# Altium PCB LPC_DevBoard.PcbDoc (continued)
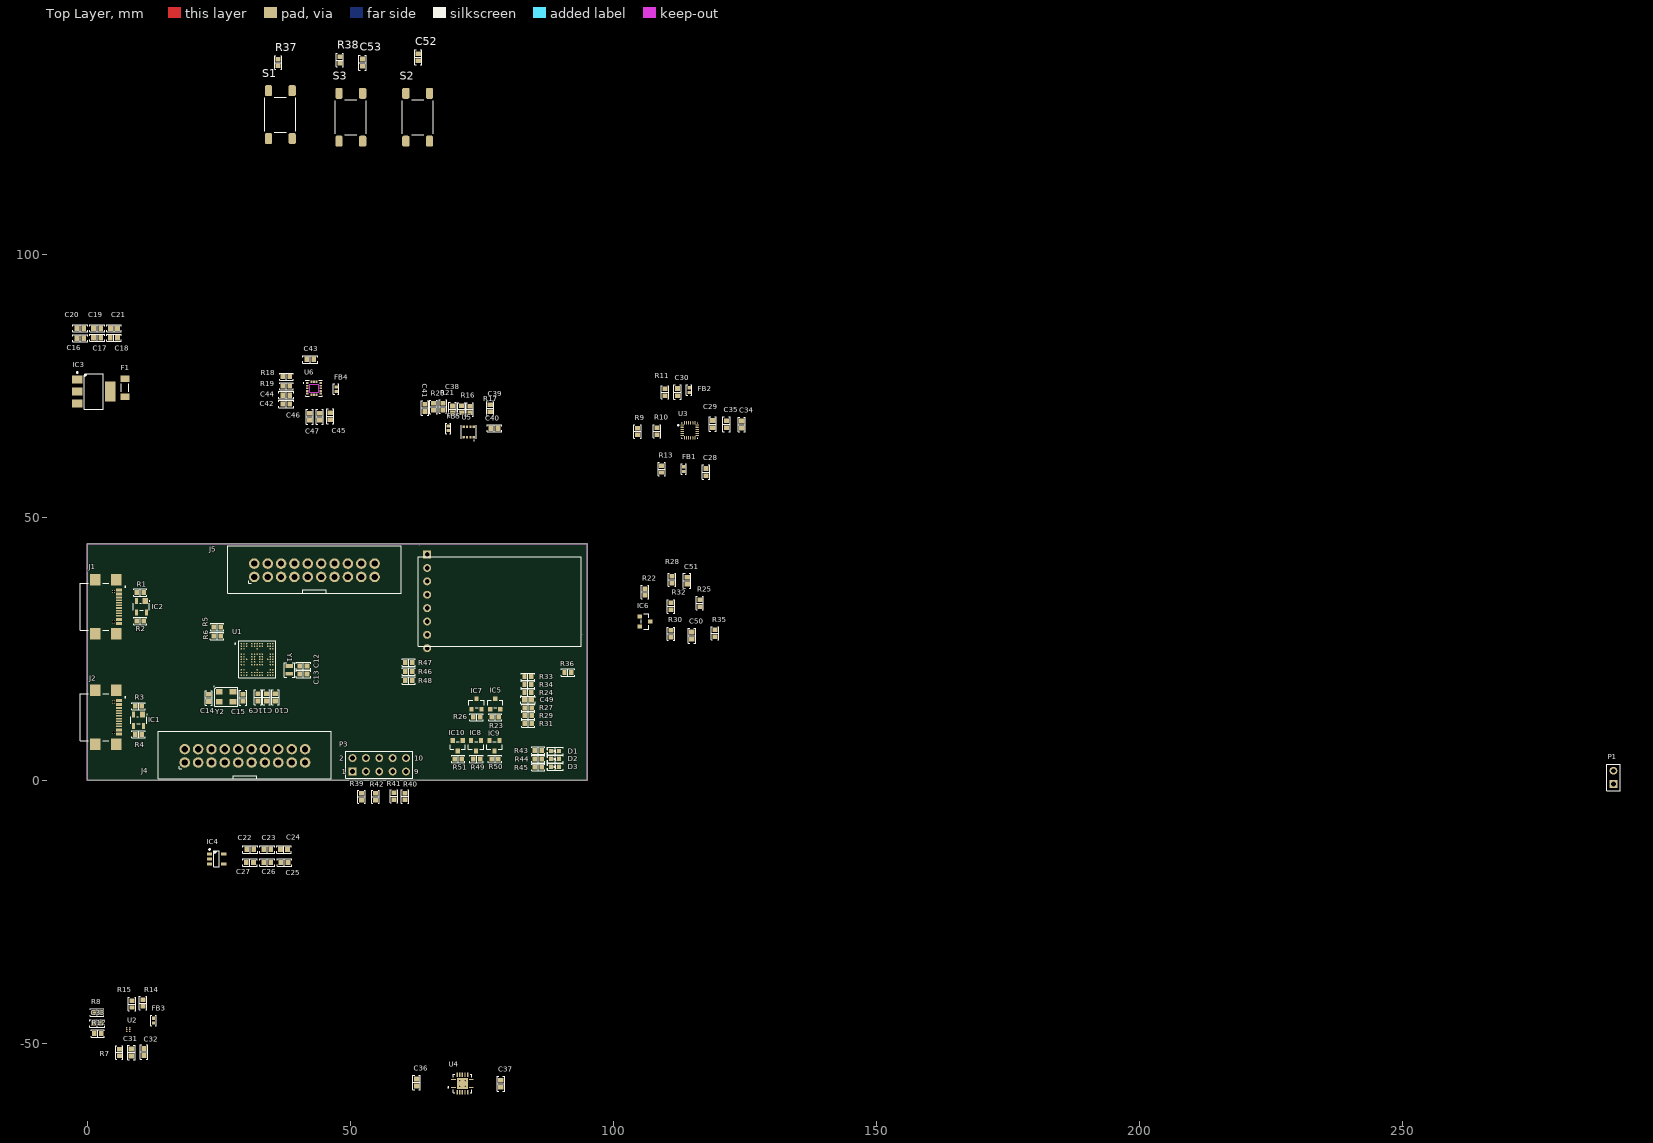
[diagram p0: Top Layer view]
## Part data (continued)
C52 C53: library part 0603YC103KAT2A, "CAP CER 10000PF 16V X7R 0603", Device Package="0603 (1608 Metric)", manufacturer="AVX Corporation", Operating Temperature="-55°C ~ 125°C", Supplier Part Number 1=478-6209-1-ND, Temperature Coefficient=X7R, Tolerance=±10%, Voltage - Rated=16V, Applications="General Purpose", Capacitance=10000pF, componentlink1description=Datasheet, componentlink1url=http://datasheets.avx.com/X7RDielectric.pdf, componentlink2description="DigiKey Link", componentlink2url=http://digikey.com/product-detail/en/avx-corporation/0603YC103KAT2A/478-6209-1-ND/2391408, lastupdated="2.09.2020 01:03:30", Lifecycle Status=Active, Minimum Order=1, Mounting Type="Surface Mount, MLCC", Package / Case="0603 (1608 Metric)", packaging=TapeAndReel, Part Number=0603YC103KAT2A, Part Status=Active, partid=5681, price=0.02, series=-, Size / Dimension="0.063\" L x 0.032\" W (1.60mm x 0.81mm)", Supplier 1=DigiKey, Thickness (Max)="0.035\" (0.90mm)"
D1: library part FKR1111C-TR, "LED RED DIFFUSED SURFACE MOUNT", Current - Test=20mA, Device Package="0603 (1608 Metric)", Lens Color=White, manufacturer="Stanley Electric Co", Millicandela Rating=310mcd, Supplier Device Package=1608, Supplier Part Number 1=404-1269-1-ND, Voltage - Forward (Vf) (Typ)=2.1V, Color=Red, componentlink1description=Datasheet, componentlink1url=http://www.stanley-components.com/php/downloaddatafile.php?rp=0,FKR1111C-TR_e.pdf, componentlink2description="DigiKey Link", componentlink2url=https://www.digikey.com/en/products/detail/stanley-electric-co/FKR1111C-TR/6615581, Configuration=Standard, Height (Max)=0.80mm, lastupdated="19.06.2022 08:33:55", Lens Size="1.20mm x 0.80mm", Lens Style="Rectangle with Flat Top", Lens Transparency=Diffused, Lifecycle Status=Active, Minimum Order=1, Mounting Type="Surface Mount", Package / Case="0603 (1608 Metric)", packaging=TapeAndReel, Part Number=FKR1111C-TR, Part Status=Active, partid=412, price=0.09, series=1111C, Size / Dimension="1.60mm L x 0.80mm W", Supplier 1=DigiKey, Wavelength - Dominant=626nm, Wavelength - Peak=638nm
D2: library part HSME-C130, "LED GREEN DIFFUSED 0603 SMD", Current - Test=20mA, Device Package="0603 (1608 Metric)", Lens Color=White, manufacturer="Broadcom Limited", Millicandela Rating=54mcd, Supplier Device Package=0603, Supplier Part Number 1=516-HSME-C130CT-ND, Voltage - Forward (Vf) (Typ)=1.94V, Color=Green, componentlink1description=Datasheet, componentlink1url=//media.digikey.com/pdf/Data%20Sheets/Avago%20PDFs/HSMx-C130.pdf, componentlink2description="DigiKey Link", componentlink2url=https://www.digikey.com/en/products/detail/broadcom-limited/HSME-C130/2220771, Configuration=Standard, Height (Max)=0.35mm, lastupdated="19.06.2022 08:33:41", Lens Size="1.15mm x 0.80mm", Lens Style="Rectangle with Flat Top", Lens Transparency=Diffused, Lifecycle Status=Active, Minimum Order=1, Mounting Type="Surface Mount", Package / Case="0603 (1608 Metric)", packaging=TapeAndReel, Part Number=HSME-C130, Part Status=Active, partid=676, price=0.10, series=-, Size / Dimension="1.60mm L x 0.80mm W", Supplier 1=DigiKey, Viewing Angle=110°, Wavelength - Dominant=573nm, Wavelength - Peak=575nm
D3: library part 5973604507F, "LED BLUE 0603 SMD", Current - Test=5mA, Device Package="0603 (1608 Metric)", Lens Color=0.68mm, manufacturer=Dialight, Millicandela Rating=40mcd, Supplier Device Package=0603, Supplier Part Number 1=350-4381-1-ND, Voltage - Forward (Vf) (Typ)=2.9V, Color=Blue, componentlink1description=Datasheet, componentlink1url=http://www.dialightsignalsandcomponents.com/Assets/Drawings/2D_Drawings_DrawingDetailedSpec/NewDrawings/C18367A.pdf, componentlink2description="DigiKey Link", componentlink2url=https://www.digikey.com/en/products/detail/dialight/5973604507F/9385436, Configuration=Standard, Height (Max)=0.68mm, lastupdated="19.06.2022 08:33:26", Lens Size="1.20mm x 0.80mm", Lens Style="Rectangle with Flat Top", Lifecycle Status=Active, Minimum Order=1, Mounting Type="Surface Mount", Package / Case="0603 (1608 Metric)", packaging=TapeAndReel, Part Number=5973604507F, Part Status=Active, partid=822, price=0.16, series=597, Size / Dimension="1.60mm L x 0.80mm W", Supplier 1=DigiKey, Wavelength - Dominant=470nm
F1: "FUSE BOARD MNT 800MA 32VAC 63VDC", Breaking Capacity @ Rated Voltage=63A, Current Rating (Amps)=800mA, Device Package="1206 (3216 Metric)", manufacturer="Schurter Inc.", Operating Temperature="-55°C ~ 90°C", Supplier Part Number 1=486-1143-1-ND, Voltage Rating - AC=32V, Voltage Rating - DC=63V, Approval Agency="cURus, VDE", Approvals="cURus, VDE", componentlink1description=Datasheet, componentlink1url=https://us.schurter.com/pdf/english/typ_USI_1206.pdf, componentlink2description="DigiKey Link", componentlink2url=http://digikey.com/product-detail/en/schurter-inc/3413.0215.22/486-1143-1-ND/1522975, Fuse Type="Board Mount (Cartridge Style Excluded)", lastupdated="2.09.2020 01:30:41", Lifecycle Status=Active, Melting I²t=0.18, Minimum Order=1, Mounting Type="Surface Mount", Package / Case="1206 (3216 Metric)", packaging=TapeAndReel, Part Number=3413.0215.22, Part Status=Active, price=0.26, Response Time="Fast Blow", series="USI 1206", Size / Dimension="0.126\" L x 0.063\" W x 0.024\" H (3.20mm x 1.60mm x 0.60mm)", Supplier 1=DigiKey
FB1 FB2 FB3 FB4 FB5: library part BBSY00100505101Y00, "EMI BEAD FILETER", Current Rating (Max)=500mA, DC Resistance (DCR) (Max)=250mOhm, Device Package="0402 (1005 Metric)", manufacturer="Chilisin Electronics", Operating Temperature="-55°C ~ 125°C", Supplier Part Number 1=2184-BBSY00100505101Y00CT-ND, componentlink1description=Datasheet, componentlink1url=https://www.chilisin.com/upload/media/product/emi_bead/file/BBSY,BBBK_Series.pdf, componentlink2description="DigiKey Link", componentlink2url=http://digikey.com/product-detail/en/chilisin-electronics/BBSY00100505101Y00/2184-BBSY00100505101Y00CT-ND/10509212, lastupdated="18.06.2022 06:33:57", Lifecycle Status=Active, Minimum Order=1, Mounting Type="Surface Mount", Number of Lines=1, Package / Case="0402 (1005 Metric)", packaging=Unknown, Part Number=BBSY00100505101Y00, Part Status=Active, partid=1772, price=0.01, Supplier 1=DigiKey, Impedance @ Frequency="100 Ohms @ 100MHz"
IC1 IC2: "TVS DIODE 5.5V SOT143B", Capacitance @ Frequency="1pF @ 1MHz", Device Package="TO-253-4, TO-253AA", manufacturer="Nexperia USA Inc.", Operating Temperature="-40°C ~ 85°C (TA)", Power Line Protection=Yes, Supplier Device Package=SOT-143B, Supplier Part Number 1=1727-3884-2-ND, Voltage - Breakdown (Min)=6V, Voltage - Reverse Standoff (Typ)="5.5V (Max)", Applications="General Purpose", componentlink1description=Datasheet, componentlink1url=https://assets.nexperia.com/documents/data-sheet/PRTR5V0U2X.pdf, componentlink2description="DigiKey Link", componentlink2url=//digikey.com/product-detail/en/nexperia-usa-inc/PRTR5V0U2X215/1727-3884-2-ND/1163690, lastupdated="9.12.2019 21:29:05", Lifecycle Status=0, Minimum Order=1, Mounting Type="Surface Mount", Package / Case="TO-253-4, TO-253AA", packaging=TapeAndReel, Part Number=PRTR5V0U2X,215, Part Status=Active, partid=5451, price=0.18, series=-, Supplier 1=DigiKey, Type="Steering (Rail to Rail)", Unidirectional Channels=2
IC3: "IC REG LINEAR 3.3V 1A SOT223", Current - Output=1A, Current - Quiescent (Iq)=700µA, manufacturer="ON Semiconductor", Package / Case="TO-261-4, TO-261AA", Supplier Device Package=SOT-223, Supplier Part Number 1=NCP1117LPST33T3GOSCT-ND, Voltage - Output (Min/Fixed)=3.3V, Voltage - Input (Max)=18V, Voltage Dropout (Max)="1.4V @ 1A", componentlink1description=Datasheet, componentlink1url=http://www.onsemi.com/pub/Collateral/NCP1117LP-D.PDF, componentlink2description="DigiKey Link", componentlink2url=http://digikey.com/product-detail/en/on-semiconductor/NCP1117LPST33T3G/NCP1117LPST33T3GOSCT-ND/3462387, lastupdated="12.06.2022 01:44:12", Lifecycle Status=Active, Minimum Order=1, Mounting Type="Surface Mount", Number of Regulators=1, Output Configuration=Positive, Output Type=Fixed, packaging=TapeAndReel, Part Number=NCP1117LPST33T3G, Part Status=Active, price=0.12, Protection Features="Over Current, Over Temperature", PSRR="60dB (120Hz)", series=-, Supplier 1=DigiKey
IC4: "IC REG LINEAR 1.8V 150MA SOT23-5", Current - Output=150mA, Current - Quiescent (Iq)="100 µA", Current - Supply (Max)="140 µA", manufacturer="Texas Instruments", Operating Temperature="-40°C ~ 125°C", Package / Case="SC-74A, SOT-753", Supplier Device Package=SOT-23-5, Supplier Part Number 1=296-11016-1-ND, Voltage - Output (Min/Fixed)=1.8V, Voltage - Input (Max)=10V, componentlink1description=Datasheet, componentlink1url=http://www.ti.com/general/docs/suppproductinfo.tsp?distId=10&gotoUrl=http%3A%2F%2Fwww.ti.com%2Flit%2Fgpn%2Ftps763, componentlink2description="DigiKey Link", componentlink2url=https://www.digikey.com/en/products/detail/texas-instruments/TPS76318DBVR/382161, Control Features=Enable, lastupdated="16.06.2022 11:30:59", Lifecycle Status=Active, Minimum Order=1, Mounting Type="Surface Mount", Number of Regulators=1, Output Configuration=Positive, Output Type=Fixed, packaging=TapeAndReel, Part Number=TPS76318DBVR, Part Status=Active, price=0.43, Protection Features="Over Current, Over Temperature, Reverse Polarity", PSRR="60dB (1kHz)", series=-, Supplier 1=DigiKey
IC5 IC6: "MOSFET P-CH 50V 130MA SOT23-3", Current - Continuous Drain (Id) @ 25°C="130mA (Ta)", Drain to Source Voltage (Vdss)=50V, Drive Voltage (Max Rds On,  Min Rds On)=5V, manufacturer="Diodes Incorporated", Operating Temperature="-55°C ~ 150°C (TJ)", Package / Case="TO-236-3, SC-59, SOT-23-3", Power Dissipation (Max)="300mW (Ta)", Supplier Device Package=SOT-23-3, Supplier Part Number 1=BSS84-FDICT-ND, Input Capacitance (Ciss) (Max) @ Vds="45pF @ 25V", componentlink1description=Datasheet, componentlink1url=https://www.diodes.com/assets/Datasheets/ds30149.pdf, componentlink2description="DigiKey Link", componentlink2url=http://digikey.com/product-detail/en/diodes-incorporated/BSS84-7-F/BSS84-FDICT-ND/717844, FET Type=P-Channel, lastupdated="18.06.2022 06:47:32", Lifecycle Status=Active, Minimum Order=1, Mounting Type="Surface Mount", packaging=TapeAndReel, Part Number=BSS84-7-F, Part Status=Active, price=0.03, Rds On (Max) @ Id, Vgs="10Ohm @ 100mA, 5V", series=-, Supplier 1=DigiKey, Technology="MOSFET (Metal Oxide)", Vgs (Max)=±20V, Vgs(th) (Max) @ Id="2V @ 1mA"
IC7 IC8 IC9 IC10: "MOSFET N-CH 50V 200MA SOT23-3", Current - Continuous Drain (Id) @ 25°C="200mA (Ta)", Drain to Source Voltage (Vdss)=50V, Drive Voltage (Max Rds On,  Min Rds On)=10V, manufacturer="Diodes Incorporated", Operating Temperature="-55°C ~ 150°C (TJ)", Package / Case="TO-236-3, SC-59, SOT-23-3", Power Dissipation (Max)="300mW (Ta)", Supplier Device Package=SOT-23-3, Supplier Part Number 1=BSS138-FDICT-ND, Input Capacitance (Ciss) (Max) @ Vds="50pF @ 10V", componentlink1description=Datasheet, componentlink1url=https://www.diodes.com/assets/Datasheets/ds30144.pdf, componentlink2description="DigiKey Link", componentlink2url=http://digikey.com/product-detail/en/diodes-incorporated/BSS138-7-F/BSS138-FDICT-ND/717843, FET Type=N-Channel, lastupdated="19.06.2022 08:41:52", Lifecycle Status=Active, Minimum Order=1, Mounting Type="Surface Mount", packaging=TapeAndReel, Part Number=BSS138-7-F, Part Status=Active, price=0.04, Rds On (Max) @ Id, Vgs="3.5Ohm @ 220mA, 10V", series=-, Supplier 1=DigiKey, Technology="MOSFET (Metal Oxide)", Vgs (Max)=±20V, Vgs(th) (Max) @ Id="1.5V @ 250µA"
J1: library part USB4110-GF-A_REVB, "USB", Package=None, Availability=Unavailable, MP=USB4110-GF-A_REVB, price=None
J2: "USB", Package=None, Availability=Unavailable, componentlink1description="New link", MP=USB4110-GF-A_REVB, price=None
J3: "CONN MICRO SD CARD HINGED TYPE", manufacturer="Hirose Electric Co Ltd", Supplier Part Number 1=HR1972TR-ND, Card Type="Secure Digital - microSD™", componentlink1description=Datasheet, componentlink1url=https://www.hirose.com/product/document?clcode=CL0609-0033-6-00&productname=DM3AT-SF-PEJ2M5&series=DM3&documenttype=Catalog&lang=en&documentid=D49662_en, componentlink2description="DigiKey Link", componentlink2url=//digikey.com/product-detail/en/hirose-electric-co-ltd/DM3CS-SF/HR1972TR-ND/2602739, Connector Type=Connector, Contact Finish=Gold, Features=Switch, Height Above Board="0.072\" (1.83mm)", lastupdated="16.12.2019 20:36:12", Lifecycle Status=0, Minimum Order=1, Mounting Feature="Normal, Standard - Top", Mounting Type="Surface Mount, Right Angle", Number of Positions="10 (8 + 2)", packaging=TapeAndReel, Part Number=DM3CS-SF, Part Status=Active, price=0.77, series=DM3, Supplier 1=DigiKey, Insertion, Removal Method="Hinged Lid"
J4 J5: "CONN HEADER VERT 20POS 2.54MM", Current Rating (Amps)=3A, manufacturer="Sullins Connector Solutions", Material Flammability Rating="UL94 V-0", Operating Temperature="-40°C ~ 105°C", Supplier Part Number 1=SBH11-NBPC-D10-ST-BK-ND, Insulation Color=Black, componentlink1description=Datasheet, componentlink1url=https://s3.amazonaws.com/catalogspreads-pdf/PAGE122%20.100%20SBH11%20SERIES%20MALE%20BOX%20HDR%20ST%20RA%20SMT.pdf, componentlink2description="DigiKey Link", componentlink2url=http://digikey.com/product-detail/en/sullins-connector-solutions/SBH11-NBPC-D10-ST-BK/SBH11-NBPC-D10-ST-BK-ND/4558585, Connector Type=Header, Contact Finish - Mating=Gold, Contact Finish - Post=Gold, Contact Finish Thickness - Mating=Flash, Contact Material=Brass, Contact Shape=Square, Contact Type="Male Pin", Fastening Type=Push-Pull, Features="Keying Slot", lastupdated="21.06.2022 14:45:11", Lifecycle Status=Active, Minimum Order=1000, Mounting Type="Through Hole", Number of Positions=20, Number of Positions Loaded=All, Number of Rows=2, packaging=Tray, Part Number=SBH11-NBPC-D10-ST-BK, Part Status=Active, partid=135, price=0.40, series=SBH11, Shrouding="Shrouded - 4 Wall", Style="Board to Board or Cable", Supplier 1=DigiKey, Termination=Solder, Insulation Material="Polyamide (PA), Nylon"
L1: library part VLS252012CX-4R7M-1, "FIXED IND 4.7UH 1.24A 210MOHM SM", Current - Saturation=1.1A, Current Rating (Amps)="1.24 A", DC Resistance (DCR)="210mOhm Max", Device Package=Nonstandard, manufacturer="TDK Corporation", Operating Temperature="-40°C ~ 105°C", Supplier Device Package=2520, Supplier Part Number 1=445-172985-1-ND, Tolerance=±20%, Inductance Frequency - Test="1 MHz", componentlink1description=Datasheet, componentlink1url=https://product.tdk.com/info/en/catalog/datasheets/inductor_commercial_power_vls252012cx-1_en.pdf?ref_disty=digikey, componentlink2description="DigiKey Link", componentlink2url=https://www.digikey.com/en/products/detail/tdk-corporation/VLS252012CX-4R7M-1/5169790, Height - Seated (Max)="0.047\" (1.20mm)", lastupdated="12.06.2022 01:37:54", Lifecycle Status=Active, Material - Core=Ferrite, Minimum Order=1, Mounting Type="Surface Mount", Package / Case=Nonstandard, packaging=TapeAndReel, Part Number=VLS252012CX-4R7M-1, Part Status=Active, partid=228, price=0.16, series=VLS-CX-1, Shielding=Shielded, Size / Dimension="0.098\" L x 0.079\" W (2.50mm x 2.00mm)", Supplier 1=DigiKey, Type=Wirewound, Inductance="4.7 µH"
P1: "Header, 2-Pin", LatestRevisionDate=17-Jul-2002, LatestRevisionNote="Re-released for DXP Platform.", Publisher="Altium Limited"
P2: library part "Header 8", "Header, 8-Pin", LatestRevisionDate=17-Jul-2002, LatestRevisionNote="Re-released for DXP Platform.", Publisher="Altium Limited"
P3: "Header, 5-Pin, Dual row", LatestRevisionDate=17-Jul-2002, LatestRevisionNote="Re-released for DXP Platform.", Publisher="Altium Limited"
R1 R2 R3 R4: library part AC0603JR-075K1L, "RES SMD 5.1K OHM 5% 1/10W 0603", Device Package="0603 (1608 Metric)", manufacturer=Yageo, Operating Temperature="-55°C ~ 155°C", Power (Watts)="0.1W, 1/10W", Ratings=AEC-Q200, Supplier Device Package=0603, Supplier Part Number 1=YAG3682CT-ND, Temperature Coefficient=±100ppm/°C, Tolerance=±5%, componentlink1description=Datasheet, componentlink1url=https://www.yageo.com/upload/media/product/productsearch/datasheet/rchip/PYu-AC_51_RoHS_L_7.pdf, componentlink2description="DigiKey Link", componentlink2url=https://www.digikey.com/en/products/detail/yageo/AC0603JR-075K1L/5896480, Composition="Thick Film", Features="Automotive AEC-Q200, Moisture Resistant", Height - Seated (Max)="0.022\" (0.55mm)", lastupdated="12.06.2022 01:11:56", Lifecycle Status=Active, Minimum Order=1, Number of Terminations=2, Package / Case="0603 (1608 Metric)", packaging=CutTape, Part Number=AC0603JR-075K1L, Part Status=Active, partid=8336, price=0.01, Resistance="5.1 kOhms", series=AC, Size / Dimension="0.063\" L x 0.031\" W (1.60mm x 0.80mm)", Supplier 1=DigiKey
R5 R6 R7 R8 R9 R10 R16 R17 R18 R19 R28 R30 R32 R35 R46 R47 R48: library part AC0603FR-0733RL, "RES SMD 33 OHM 1% 1/10W 0603", Device Package="0603 (1608 Metric)", manufacturer=Yageo, Operating Temperature="-55°C ~ 155°C", Power (Watts)="0.1W, 1/10W", Ratings=AEC-Q200, Supplier Device Package=0603, Supplier Part Number 1=YAG3599CT-ND, Temperature Coefficient=±100ppm/°C, Tolerance=±1%, componentlink1description=Datasheet, componentlink1url=https://www.yageo.com/upload/media/product/productsearch/datasheet/rchip/PYu-AC_51_RoHS_L_7.pdf, componentlink2description="DigiKey Link", componentlink2url=https://www.digikey.com/en/products/detail/yageo/AC0603FR-0733RL/5896043, Composition="Thick Film", Features="Automotive AEC-Q200, Moisture Resistant", Height - Seated (Max)="0.022\" (0.55mm)", lastupdated="18.06.2022 06:13:30", Lifecycle Status=Active, Minimum Order=1, Number of Terminations=2, Package / Case="0603 (1608 Metric)", packaging=CutTape, Part Number=AC0603FR-0733RL, Part Status=Active, partid=17381, price=0.01, Resistance="33 Ohms", series=AC, Size / Dimension="0.063\" L x 0.031\" W (1.60mm x 0.80mm)", Supplier 1=DigiKey
R11 R13 R14 R15 R20 R21: library part 5110, "RES SMD 0 OHM JUMPER 1/2W 0603", Device Package="0603 (1608 Metric)", manufacturer="Keystone Electronics", Power (Watts)="0.5W, 1/2W", Supplier Device Package=0603, Supplier Part Number 1=36-5110CT-ND, Tolerance=Jumper, componentlink1description=Datasheet, componentlink1url=http://keyelco.com/userAssets/file/M65p54.pdf, componentlink2description="DigiKey Link", componentlink2url=https://www.digikey.com/en/products/detail/keystone-electronics/5110/5118870, Composition="Metal Element", Height - Seated (Max)="0.028\" (0.70mm)", lastupdated="18.06.2022 06:13:19", Lifecycle Status=Active, Minimum Order=1, Number of Terminations=2, Package / Case="0603 (1608 Metric)", packaging=TapeAndReel, Part Number=5110, Part Status=Active, partid=20779, price=0.16, Resistance="0 Ohms", series=-, Size / Dimension="0.061\" L x 0.033\" W (1.55mm x 0.85mm)", Supplier 1=DigiKey
R12: library part AC0603JR-0710KL, "RES SMD 10K OHM 5% 1/10W 0603", Device Package="0603 (1608 Metric)", manufacturer=Yageo, Operating Temperature="-55°C ~ 155°C", Power (Watts)="0.1W, 1/10W", Ratings=AEC-Q200, Supplier Device Package=0603, Supplier Part Number 1=311-10KLECT-ND, Temperature Coefficient=±100ppm/°C, Tolerance=±5%, componentlink1description=Datasheet, componentlink1url=https://www.yageo.com/upload/media/product/productsearch/datasheet/rchip/PYu-AC_51_RoHS_L_7.pdf, componentlink2description="DigiKey Link", componentlink2url=https://www.digikey.com/en/products/detail/yageo/AC0603JR-0710KL/2827830, Composition="Thick Film", Features="Automotive AEC-Q200, Moisture Resistant", Height - Seated (Max)="0.022\" (0.55mm)", lastupdated="18.06.2022 06:13:45", Lifecycle Status=Active, Minimum Order=1, Number of Terminations=2, Package / Case="0603 (1608 Metric)", packaging=CutTape, Part Number=AC0603JR-0710KL, Part Status=Active, partid=12247, price=0.01, Resistance="10 kOhms", series=AC, Size / Dimension="0.063\" L x 0.031\" W (1.60mm x 0.80mm)", Supplier 1=DigiKey
R22 R23 R25 R26 R38 R49 R50 R51: library part ERA-3AED104V, "RES 100 KOHMS 0.5% 1/10W 0603", Device Package="0603 (1608 Metric)", manufacturer="Panasonic Electronic Components", Operating Temperature="-55°C ~ 155°C", Power (Watts)="0.1W, 1/10W", Ratings=AEC-Q200, Supplier Device Package=0603, Supplier Part Number 1=P123902CT-ND, Temperature Coefficient=±25ppm/°C, Tolerance=±0.5%, componentlink1description=Datasheet, componentlink1url=https://industrial.panasonic.com/cdbs/www-data/pdf/RDM0000/AOA0000C307.pdf, componentlink2description="DigiKey Link", componentlink2url=https://www.digikey.com/en/products/detail/panasonic-electronic-components/ERA-3AED104V/9467631, Composition="Thin Film", Features="Automotive AEC-Q200", Height - Seated (Max)="0.022\" (0.55mm)", lastupdated="18.06.2022 06:13:53", Lifecycle Status=Active, Minimum Order=1, Number of Terminations=2, Package / Case="0603 (1608 Metric)", packaging=TapeAndReel, Part Number=ERA-3AED104V, Part Status=Active, partid=10002, price=0.01, Resistance="100 kOhms", series=ERA-3A, Size / Dimension="0.063\" L x 0.031\" W (1.60mm x 0.80mm)", Supplier 1=DigiKey
R24 R27 R29 R31 R33 R34 R36: library part ERJ-UP3J473V, "RES 47K OHM 5% 1/4W 0603", Device Package="0603 (1608 Metric)", manufacturer="Panasonic Electronic Components", Operating Temperature="-55°C ~ 155°C", Power (Watts)="0.25W, 1/4W", Ratings=AEC-Q200, Supplier Device Package=0603, Supplier Part Number 1=10-ERJ-UP3J473VCT-ND, Temperature Coefficient=±200ppm/°C, Tolerance=±5%, componentlink1description=Datasheet, componentlink1url=https://b2b-api.panasonic.eu/file_stream/pids/fileversion/4484, componentlink2description="DigiKey Link", componentlink2url=https://www.digikey.com/en/products/detail/panasonic-electronic-components/ERJ-UP3J473V/12092099, Composition="Thick Film", Features="Anti-Sulfur, Automotive AEC-Q200, Pulse Withstanding", Height - Seated (Max)="0.022\" (0.55mm)", lastupdated="19.06.2022 08:07:14", Lifecycle Status=Active, Minimum Order=1, Number of Terminations=2, Package / Case="0603 (1608 Metric)", packaging=TapeAndReel, Part Number=ERJ-UP3J473V, Part Status=Active, partid=63295, price=0.02, Resistance="47 kOhms", series=ERJ-UP3, Size / Dimension="0.063\" L x 0.031\" W (1.60mm x 0.80mm)", Supplier 1=DigiKey
R37: library part AC0603FR-072K2L, "RES SMD 2.2K OHM 1% 1/10W 0603", Device Package="0603 (1608 Metric)", manufacturer=Yageo, Operating Temperature="-55°C ~ 155°C", Power (Watts)="0.1W, 1/10W", Ratings=AEC-Q200, Supplier Device Package=0603, Supplier Part Number 1=311-2.2KLDCT-ND, Temperature Coefficient=±100ppm/°C, Tolerance=±1%, componentlink1description=Datasheet, componentlink1url=https://www.yageo.com/upload/media/product/productsearch/datasheet/rchip/PYu-AC_51_RoHS_L_7.pdf, componentlink2description="DigiKey Link", componentlink2url=https://www.digikey.com/en/products/detail/yageo/AC0603FR-072K2L/2827822, Composition="Thick Film", Features="Automotive AEC-Q200, Moisture Resistant", Height - Seated (Max)="0.022\" (0.55mm)", lastupdated="19.06.2022 08:08:05", Lifecycle Status=Active, Minimum Order=1, Number of Terminations=2, Package / Case="0603 (1608 Metric)", packaging=CutTape, Part Number=AC0603FR-072K2L, Part Status=Active, partid=17358, price=0.01, Resistance="2.2 kOhms", series=AC, Size / Dimension="0.063\" L x 0.031\" W (1.60mm x 0.80mm)", Supplier 1=DigiKey
R39 R40 R41 R42: library part AA0603FR-0710KL, "RES SMD 10K OHM 1% 1/10W 0603", Device Package="0603 (1608 Metric)", manufacturer=Yageo, Operating Temperature="-55°C ~ 155°C", Power (Watts)="0.1W, 1/10W", Ratings=AEC-Q200, Supplier Device Package=0603, Supplier Part Number 1=13-AA0603FR-0710KLCT-ND, Temperature Coefficient=±150ppm/°C, Tolerance=±1%, componentlink1description=Datasheet, componentlink1url=https://www.yageo.com/upload/media/product/productsearch/datasheet/rchip/PYu-AA_51_RoHS_L_3.pdf, componentlink2description="DigiKey Link", componentlink2url=https://www.digikey.com/en/products/detail/yageo/AA0603FR-0710KL/5888698, Composition="Thick Film", Features="Anti-Sulfur, Automotive AEC-Q200, Moisture Resistant", Height - Seated (Max)="0.022\" (0.55mm)", lastupdated="19.06.2022 08:07:19", Lifecycle Status=Active, Minimum Order=1, Number of Terminations=2, Package / Case="0603 (1608 Metric)", packaging=TapeAndReel, Part Number=AA0603FR-0710KL, Part Status=Active, partid=64302, price=0.01, Resistance="10 kOhms", series=AA, Size / Dimension="0.063\" L x 0.031\" W (1.60mm x 0.80mm)", Supplier 1=DigiKey
R43 R44 R45: library part CR0603-JW-151ELF, "RES SMD 150 OHM 5% 1/10W 0603", Device Package="0603 (1608 Metric)", manufacturer="Bourns Inc.", Operating Temperature="-55°C ~ 155°C", Power (Watts)="0.1W, 1/10W", Supplier Device Package=0603, Supplier Part Number 1=CR0603-JW-151ELFCT-ND, Temperature Coefficient=±200ppm/°C, Tolerance=±5%, componentlink1description=Datasheet, componentlink1url=https://www.bourns.com/docs/Product-Datasheets/CHPREZTR.pdf, componentlink2description="DigiKey Link", componentlink2url=https://www.digikey.com/en/products/detail/bourns-inc/CR0603-JW-151ELF/3784293, Composition="Thick Film", Features="Moisture Resistant", Height - Seated (Max)="0.022\" (0.55mm)", lastupdated="19.06.2022 08:07:48", Lifecycle Status=Active, Minimum Order=1, Number of Terminations=2, Package / Case="0603 (1608 Metric)", packaging=CutTape, Part Number=CR0603-JW-151ELF, Part Status=Active, partid=23012, price=0.01, Resistance="150 Ohms", series=CR0603, Size / Dimension="0.063\" L x 0.031\" W (1.60mm x 0.80mm)", Supplier 1=DigiKey
S1 S2 S3: "SWITCH TACTILE SPST-NO 0.05A 24V", Contact Rating @ Voltage="0.05A @ 24VDC", manufacturer="TE Connectivity ALCOSWITCH Switches", Operating Force=260gf, Supplier Part Number 1=1-1977223-1-ND, Actuator Height off PCB, Vertical=5.00mm, Actuator Orientation="Top Actuated", Actuator Type=Standard, Circuit=SPST-NO, componentlink1description=Datasheet, componentlink1url=https://www.te.com/commerce/DocumentDelivery/DDEController?Action=srchrtrv&DocNm=1308111-1_SWITCHES_CORE_PROGRAM_CATALOG&DocType=CS&DocLang=English, componentlink2description="DigiKey Link", componentlink2url=http://digikey.com/product-detail/en/te-connectivity-alcoswitch-switches/1-1977223-1/1-1977223-1-ND/5597032, lastupdated="19.06.2022 08:44:29", Lifecycle Status=Active, Minimum Order=0, Mounting Type="Surface Mount", Outline="6.00mm x 6.00mm", Part Number=1-1977223-1, price=0, series=FSMJSMA, Supplier 1=DigiKey, Switch Function=Off-Mom, Termination Style="Gull Wing", Illumination=Non-Illuminated
U1: "MCU 32-bit ARM Cortex M33 RISC 640KB Flash 3.3V 98-Pin VFBGA Tray", Package=None, Supplier Part Number 1=03AH2300, Availability="In Stock", Check_prices=https://www.snapeda.com/parts/LPC55S69JEV98K/Nexperia/view-part/?ref=eda, MF="NXP Semiconductors", MP=LPC55S69JEV98K, price=None, Purchase-URL=https://pricing.snapeda.com/search/part/LPC55S69JEV98K/?ref=eda, SnapEDA_Link=https://www.snapeda.com/parts/LPC55S69JEV98K/Nexperia/view-part/?ref=snap, Supplier 1=Newark
U2: "No Description Available", Mfr_Name="Texas Instruments", Copyright="Copyright (C) 2022 Ultra Librarian. All rights reserved.", Digi-Key_Part_Number_1=296-45132-1-ND, Digi-Key_Part_Number_2=296-45132-2-ND, Digi-Key_Part_Number_3=296-45132-6-ND, Manufacturer_Part_Number=OPT3006YMFR, RefDes=RefDes, Type=DEV
U3: "Accelerometer, Gyroscope, Magnetometer, 9 Axis Sensor I²C, SPI Output", Ambient Temperature Range High=+85°C, Ambient Temperature Range Low=-40°C, Digikey Part Number=1428-1123-1-ND, manufacturer="TDK InvenSense", Max Supply Voltage=3.6V, Min Supply Voltage=1.71V, Mouser Part Number=410-ICM-20948, Operating Supply Current=8-3110uA, Package=0, Temperature="-40°C to +85°C", Accel Range=2/4/8/16g, Accel Resolution=16bits, Accel Sensitivity=2048/4096/8192/16384LSB/g, Automotive=No, componentlink1description=Upverter, componentlink1url=https://upverter.com/part/id/133434ff2df35346/, componentlink2description=Datasheet, componentlink2url=https://invensense.tdk.com/wp-content/uploads/2016/06/DS-000189-ICM-20948-v1.3.pdf?ref_disty=digikey, Datasheet Path=datasheets/IC_TDK_InvenSense_ICM-20948_eec.pdf, Digikey Description="IMU ACCEL/GYRO/COMPI2C/SPI 24QFN", Gyro Range=250/500/1000/2000°/s, Gyro Sensitivity=16.4/32.8/65.5/131LSB/°/s, Height=1.05mm, helpURL=https://upverter.com/part/id/133434ff2df35346/, Lead Free=Yes, Mag Sense Range=4900uT, Mag Sensitivity=0.15uT/LSB, Part Number=ICM-20948, Resolution=16bits, RoHS=TRUE, Sensor Output=I2C,SPI, Sensor Type=Accelerometer,Gyroscope,Magnetometer, Standoff Height=0mm, Supplier 1=Digi-Key, Supplier 2=Mouser, Supplier Part Number 1=1428-1123-1-ND, Supplier Part Number 2=410-ICM-20948, Symbol Hash=f55aed9b0ea5cc58222276bed1303401ef86fe4f7dd241f5d042c171e1ba1323, Temperature Range High=+85°C, Temperature Range Low=-40°C, Verification Version=0.0.0.3, Ipc Land Pattern Name=QFN40P300X300X100-24
U4: "4-Bit Bidirectional Voltage-Level Shifter with Auto Direction Sensing and +/-15 kV ESD Protect 14-VQFN -40 to 85", Package=None, Availability=Unavailable, MP=TXB0104RGYR, price=None
U5: "DIGITAL HUMIDITY, PRESSURE AND TEMPERATURE SENSOR<br>* Digital interface IÂ²C (up to 3.4 MHz) and SPI (3 and 4 wire, up to 10 MHz)* Supply voltage VDD main supply voltage range: 1.71 V to 3.6 V*VDDIO interface voltage range: 1.2 V to 3.6 V<br> Operating range -40â€", Package=None, Availability=Unavailable, MP=BME280, price=None
U6: "Accelerometer X, Y, Z Axis Â±2g, 4g, 8g, 16g 16-LGA (3x3)", Package="PQFN-16 TDK-InvenSense", Availability=Bad, Check_prices=https://www.snapeda.com/parts/IAM-20381/TDK%20InvenSense/view-part/2757131/?ref=eda, MF="TDK InvenSense", MP=IAM-20381, price=None, SnapEDA_Link=https://www.snapeda.com/parts/IAM-20381/TDK%20InvenSense/view-part/2757131/?ref=snap
Y1: library part ABS06-32.768KHZ-1-T, "CRYSTAL 32.7680KHZ 12.5PF SMD", ESR (Equivalent Series Resistance)="90 kOhms", Frequency Tolerance=±10ppm, Load Capacitance=12.5pF, manufacturer="Abracon LLC", Operating Mode=Fundamental, Operating Temperature="-40°C ~ 85°C", Package / Case="2-SMD, No Lead", Supplier Part Number 1=535-10248-1-ND, componentlink1description=Datasheet, componentlink1url=https://abracon.com/Resonators/ABS06.pdf, componentlink2description="DigiKey Link", componentlink2url=https://www.digikey.com/en/products/detail/abracon-llc/ABS06-32-768KHZ-1-T/2217994, Frequency="32.768 kHz", Height - Seated (Max)="0.024\" (0.60mm)", lastupdated="29.06.2022 14:39:54", Lifecycle Status=Active, Minimum Order=1, Mounting Type="Surface Mount", packaging=TapeAndReel, Part Number=ABS06-32.768KHZ-1-T, Part Status=Active, partid=370, price=0.94, series=ABS06, Size / Dimension="0.079\" L x 0.047\" W (2.00mm x 1.20mm)", Supplier 1=DigiKey, Type="kHz Crystal (Tuning Fork)"
Y2: library part CX3225GB16000D0HEQCC, "CRYSTAL 16.0000MHZ 8PF SMD", ESR (Equivalent Series Resistance)="80 Ohms", Frequency Stability=±30ppm, Frequency Tolerance=±20ppm, Load Capacitance=8pF, manufacturer="Kyocera International Inc. Electronic Components", Operating Mode=Fundamental, Operating Temperature="-10°C ~ 70°C", Package / Case="4-SMD, No Lead", Supplier Part Number 1=1253-1180-1-ND, componentlink1description=Datasheet, componentlink1url=//media.digikey.com/pdf/Data%20Sheets/AVX%20PDFs/CX3225GBxD0HEQ_Series_Spec.pdf, componentlink2description="DigiKey Link", componentlink2url=http://digikey.com/product-detail/en/kyocera-international-inc-electronic-components/CX3225GB16000D0HEQCC/1253-1180-1-ND/4453986, Frequency=16MHz, Height - Seated (Max)="0.035\" (0.90mm)", lastupdated="14.06.2022 21:42:53", Lifecycle Status=Active, Minimum Order=1, Mounting Type="Surface Mount", packaging=TapeAndReel, Part Number=CX3225GB16000D0HEQCC, Part Status=Active, partid=485, price=0.33, series="CX3225GB, Kyocera", Size / Dimension="0.126\" L x 0.098\" W (3.20mm x 2.50mm)", Supplier 1=DigiKey, Type="MHz Crystal"

## Nets (pads, with @x,y where several pads share a name; then routed paths per layer and width w, separated by ;. In a path a pad name is that pad's centre, name@x,y a point inside that pad or via, vN(x,y) a via of type N, cw(c..) or ccw(c..) an arc to the next point about the centre after c; other vN are vias at no path point)
1V8_EN: IC4.3 U1.E1
+1V8: C25.1 C26.2 C27.2 C37.2 FB2.1 IC4.5 R11.2 U4.1
+3V3: C1.2 C2.2 C3.2 C4.2 C5.2 C6.2 C7.2 C8.2 C16.1 C17.2 C18.2 C36.2 C51.2 D1.1 D2.1 D3.1 FB1.1 FB3.1 FB4.1 FB5.1 IC3.2 IC3.4 IC5.2 IC6.2 J4.1 J5.20 P2.7 P3.1 R12.1 R14.2 R20.2 R22.2 R23.2 R24.2 R25.2 R27.2 R29.2 R31.2 R33.2 R34.2 R36.2 R37.2 R38.2 R39.2 R40.2 R41.2 U1.A3 U1.G1 U1.G2 U1.M13 U1.N7 U1.N13 U4.14 U5.2
+3V3_GYRO: C45.2 C46.2 C47.2 FB4.2 U6.1 U6.4 U6.5 U6.16
ACCEL_INT1: U1.F9 U6.6
BACKLIGHT: IC6.1 R22.1
BLUE_LED: R48.1 U1.G3
BME_ADDR: R20.1 R21.2 U5.5
BOOT_MODE: P1.2 P3.7 R37.1 S2.1 S2.2 U1.A7
DISP_CMD: R28.1 U1.A11
DISP_CS: R35.1 U1.B12
DISP_MOSI: R30.1 U1.H12
DISP_RST: P2.3 R25.1 U1.E12
DISP_SCL: R32.1 U1.G12
GND: C1.1 C2.1 C3.1 C4.1 C5.1 C6.1 C7.1 C8.1 C9.2 C10.1 C11.1 C12.2 C13.2 C14.2 C15.2 C16.2 C17.1 C18.1 C19.1 C20.1 C21.1 C22.1 C23.1 C24.1 C25.2 C26.1 C27.1 C28.1 C29.1 C30.1 C31.2 C32.1 C33.2 C34.1 C35.1 C36.1 C37.1 C38.2 C39.1 C40.1 C41.2 C42.2 C43.1 C44.2 C45.1 C46.1 C47.1 C48.1 C49.1 C50.1 C51.1 C52.1 C53.1 IC1.1 IC2.1 IC3.1 IC4.2 IC7.2 IC8.2 IC9.2 IC10.2 J1.A1/B12 J1.B1/A12 J1.S1 J1.S2 J1.S3 J1.S4 J2.A1/B12 J2.B1/A12 J2.S1 J2.S2 J2.S3 J2.S4 J3.6 J3.S J4.2 J5.16 P1.1 P2.2 P3.3 P3.5 P3.9 R1.1 R2.2 R3.1 R4.2 R13.1 R15.1 R21.1 R26.1 R42.1 R49.1 R50.1 R51.1 S1.3 S1.4 S2.3 S2.4 S3.3 S3.4 U1.A5 U1.A9 U1.A13 U1.B1 U1.B5 U1.B9 U1.B13 U1.H1 U1.H2 U1.M1 U1.M11 U1.M12 U1.N1 U1.N5 U1.N12 U2.A1 U3.11 U3.18 U3.20 U4.7 U5.1 U5.7 U6.8 U6.9 U6.10 U6.11 U6.12 U6.13 U6.15
GREEN_LED: R46.1 U1.H9
GYRO_I2C_SCL: R9.1 U4.2
GYRO_I2C_SDA: R10.1 U4.3
GYRO_INT: U1.F13 U3.12
I2C_SCK: R7.2 R16.2 U4.12
I2C_SCL: R19.2 U1.B11
I2C_SDA: R8.2 R17.2 R18.2 U1.F5 U4.13
LEDA: C50.2 IC6.3 P2.1
LOGIC_EN: U1.H8 U4.8
NetC12_1: C12.1 U1.J13 Y1.2
NetC13_1: C13.1 U1.J12 Y1.1
NetC14_1: C14.1 U1.N3 Y2.1
NetC15_1: C15.1 U1.M3 Y2.3
NetC28_2: C28.2 FB1.2 U3.13
NetC29_2: C29.2 U3.10
NetC30_2: C30.2 FB2.2 U3.8 U3.22
NetC31_1: C31.1 R7.1 U2.A2
NetC32_2: C32.2 FB3.2 U2.C1
NetC33_1: C33.1 R8.1 U2.C2
NetC34_2: C34.2 R9.2 U3.23
NetC35_2: C35.2 R10.2 U3.24
NetC38_1: C38.1 R16.1 U5.4
NetC39_2: C39.2 C40.2 FB5.2 U5.6 U5.8
NetC41_1: C41.1 R17.1 U5.3
NetC42_1: C42.1 R18.1 U6.3
NetC43_2: C43.2 U6.14
NetC44_1: C44.1 R19.1 U6.2
NetC48_2: C48.2 C49.2 IC5.3 J3.4
NetD1_2: D1.2 R43.1
NetD2_2: D2.2 R44.1
NetD3_2: D3.2 R45.1
NetJ1_A5: J1.A5 R1.2
NetJ1_B5: J1.B5 R2.1
NetJ2_A5: J2.A5 R3.2
NetJ2_B5: J2.B5 R4.1
NetL1_2: L1.2 U1.N11
NetP2_4: P2.4 R28.2
NetP2_5: P2.5 R30.2
NetP2_6: P2.6 R32.2
NetP2_8: P2.8 R35.2
NetR5_2: R5.2 U1.A1
NetR6_2: R6.2 U1.A2
NetR11_1: R11.1 R13.2 U3.9
NetR14_1: R14.1 R15.2 U2.B1
NetR23_1: IC5.1 IC7.3 R23.1
NetR43_2: IC9.3 R43.2
NetR44_2: IC8.3 R44.2
NetR45_2: IC10.3 R45.2
NetR46_2: IC8.1 R46.2 R49.2
NetR47_2: IC9.1 R47.2 R50.2
NetR48_2: IC10.1 R48.2 R51.2
OPT_INT: R12.2 U1.L1 U2.B2
PIO0_0: J5.1 U1.L12
PIO0_3: J5.2 U1.F8
PIO0_4: J5.3 U1.E7
PIO0_6: J5.4 U1.B7
PIO0_7: J5.5 U1.G5
PIO0_10: J5.6 U1.F2
PIO0_13: J5.7 U1.C12
PIO0_14: J5.8 U1.C13
PIO0_15: J5.9 U1.L2
PIO0_16: J5.10 U1.J2
PIO0_21: J5.15 U1.A12
PIO0_22: J5.14 U1.E9
PIO0_23: J5.13 U1.J1
PIO0_27: J5.12 U1.N2
PIO0_30: J5.11 U1.E5
PIO1_1: J4.3 U1.G11
PIO1_3: J4.4 U1.G13
PIO1_9: J4.5 U1.C1
PIO1_10: J4.6 U1.J7
PIO1_11: J4.7 U1.G6
PIO1_12: J4.8 U1.F12
PIO1_14: J4.9 U1.L7
PIO1_15: J4.10 U1.B6
PIO1_17: J4.20 U1.J9
PIO1_19: J4.19 U1.H13
PIO1_20: J4.18 U1.C2
PIO1_21: J4.17 U1.M7
PIO1_22: J4.16 U1.M8
PIO1_23: J4.15 U1.J8
PIO1_24: J4.14 U1.F6
PIO1_25: J4.13 U1.B8
PIO1_26: J4.12 U1.E13
PIO1_27: J4.11 U1.E8
RED_LED: R47.1 U1.E6
RESETN: C52.2 P3.10 R41.1 S1.1 S1.2 U1.J6
SD_DETECT: J3.9 R36.1 U1.B3
SDIO_0: J3.7 R29.1 U1.B2
SDIO_1: J3.8 R31.1 U1.J5
SDIO_2: J3.1 R33.1 U1.M5
SDIO_3: J3.2 R34.1 U1.H5
SDIO_CLK: J3.5 R27.1 U1.A6
SDIO_CMD: J3.3 R24.1 U1.C7
SDIO_PWR: IC7.1 R26.2 U1.L13
SDWIO: P3.2 R39.1 U1.E2
SWDCLK: P3.4 R42.2 U1.F1
SWO: P3.6 R40.1 U1.M2
USB1_D_N: IC1.3 J2.A7 J2.B7 U1.N6
USB1_D_P: IC1.2 J2.A6 J2.B6 U1.M6
USB1_VBUS: IC1.4 J2.A4/B9 J2.B4/A9 U1.N8
USB_D_N: IC2.3 J1.A7 J1.B7 R5.1
USB_D_P: IC2.2 J1.A6 J1.B6 R6.1
USB_VBUS: C19.2 C20.2 C21.2 F1.1 IC2.4 J1.A4/B9 J1.B4/A9
USB_VBUS_F: C22.2 C23.2 C24.2 F1.2 IC3.3 IC4.1
VDD_PMU_FB: C9.1 C10.2 C11.2 L1.1 U1.M9 U1.N9
WAKEUP: C53.2 R38.1 S3.1 S3.2 U1.G9
pads on no net: IC4.4 J1. J1.A8 J1.B8 J2. J2.A8 J2.B8 J5.17 J5.18 J5.19 P3.8 U1.A8 U1.G8 U1.H6 U3.1 U3.2 U3.3 U3.4 U3.5 U3.6 U3.7 U3.14 U3.15 U3.16 U3.17 U3.19 U3.21 U4.4 U4.5 U4.6 U4.9 U4.10 U4.11 U4.15 U4.16 U4.17 U4.18 U4.19 U6.7 Y2.2 Y2.4

## Keep-outs
Keep-Out Layer:
  the board outline again, w0.1

## Silkscreen, mask and mechanical layers (free items; w line width, h text height)
Top Overlay:
  lines w0.1: 62.9,25.5 93.9,25.5 93.9,42.5 62.9,42.5 62.9,25.5 ; 63.2,44.7 63.2,44.7 ; 94.2,27.7 94.2,27.7

## Text inside footprints (layer, text, board x,y; h text height)
P3: Top Overlay "2" at 47.88,3.732 h1; Top Overlay "10" at 62.104,3.732 h1; Top Overlay "9" at 62.104,1.192 h1; Top Overlay "1" at 48.388,1.192 h1